# Altium PCB 工控主板.PcbDoc (part 2 of 2)
Units mm, origin at the board's own origin, x right, y up, seen from the top; angles counter-clockwise.
Board outline 160 x 120 mm, 4 copper layers (Top Layer, GND, POWER, Bottom Layer), stack 0.603 mm thick; 163 components, 157 nets, 614 pads, 536 vias.
Unrouted connection lines stored in the file: 1.
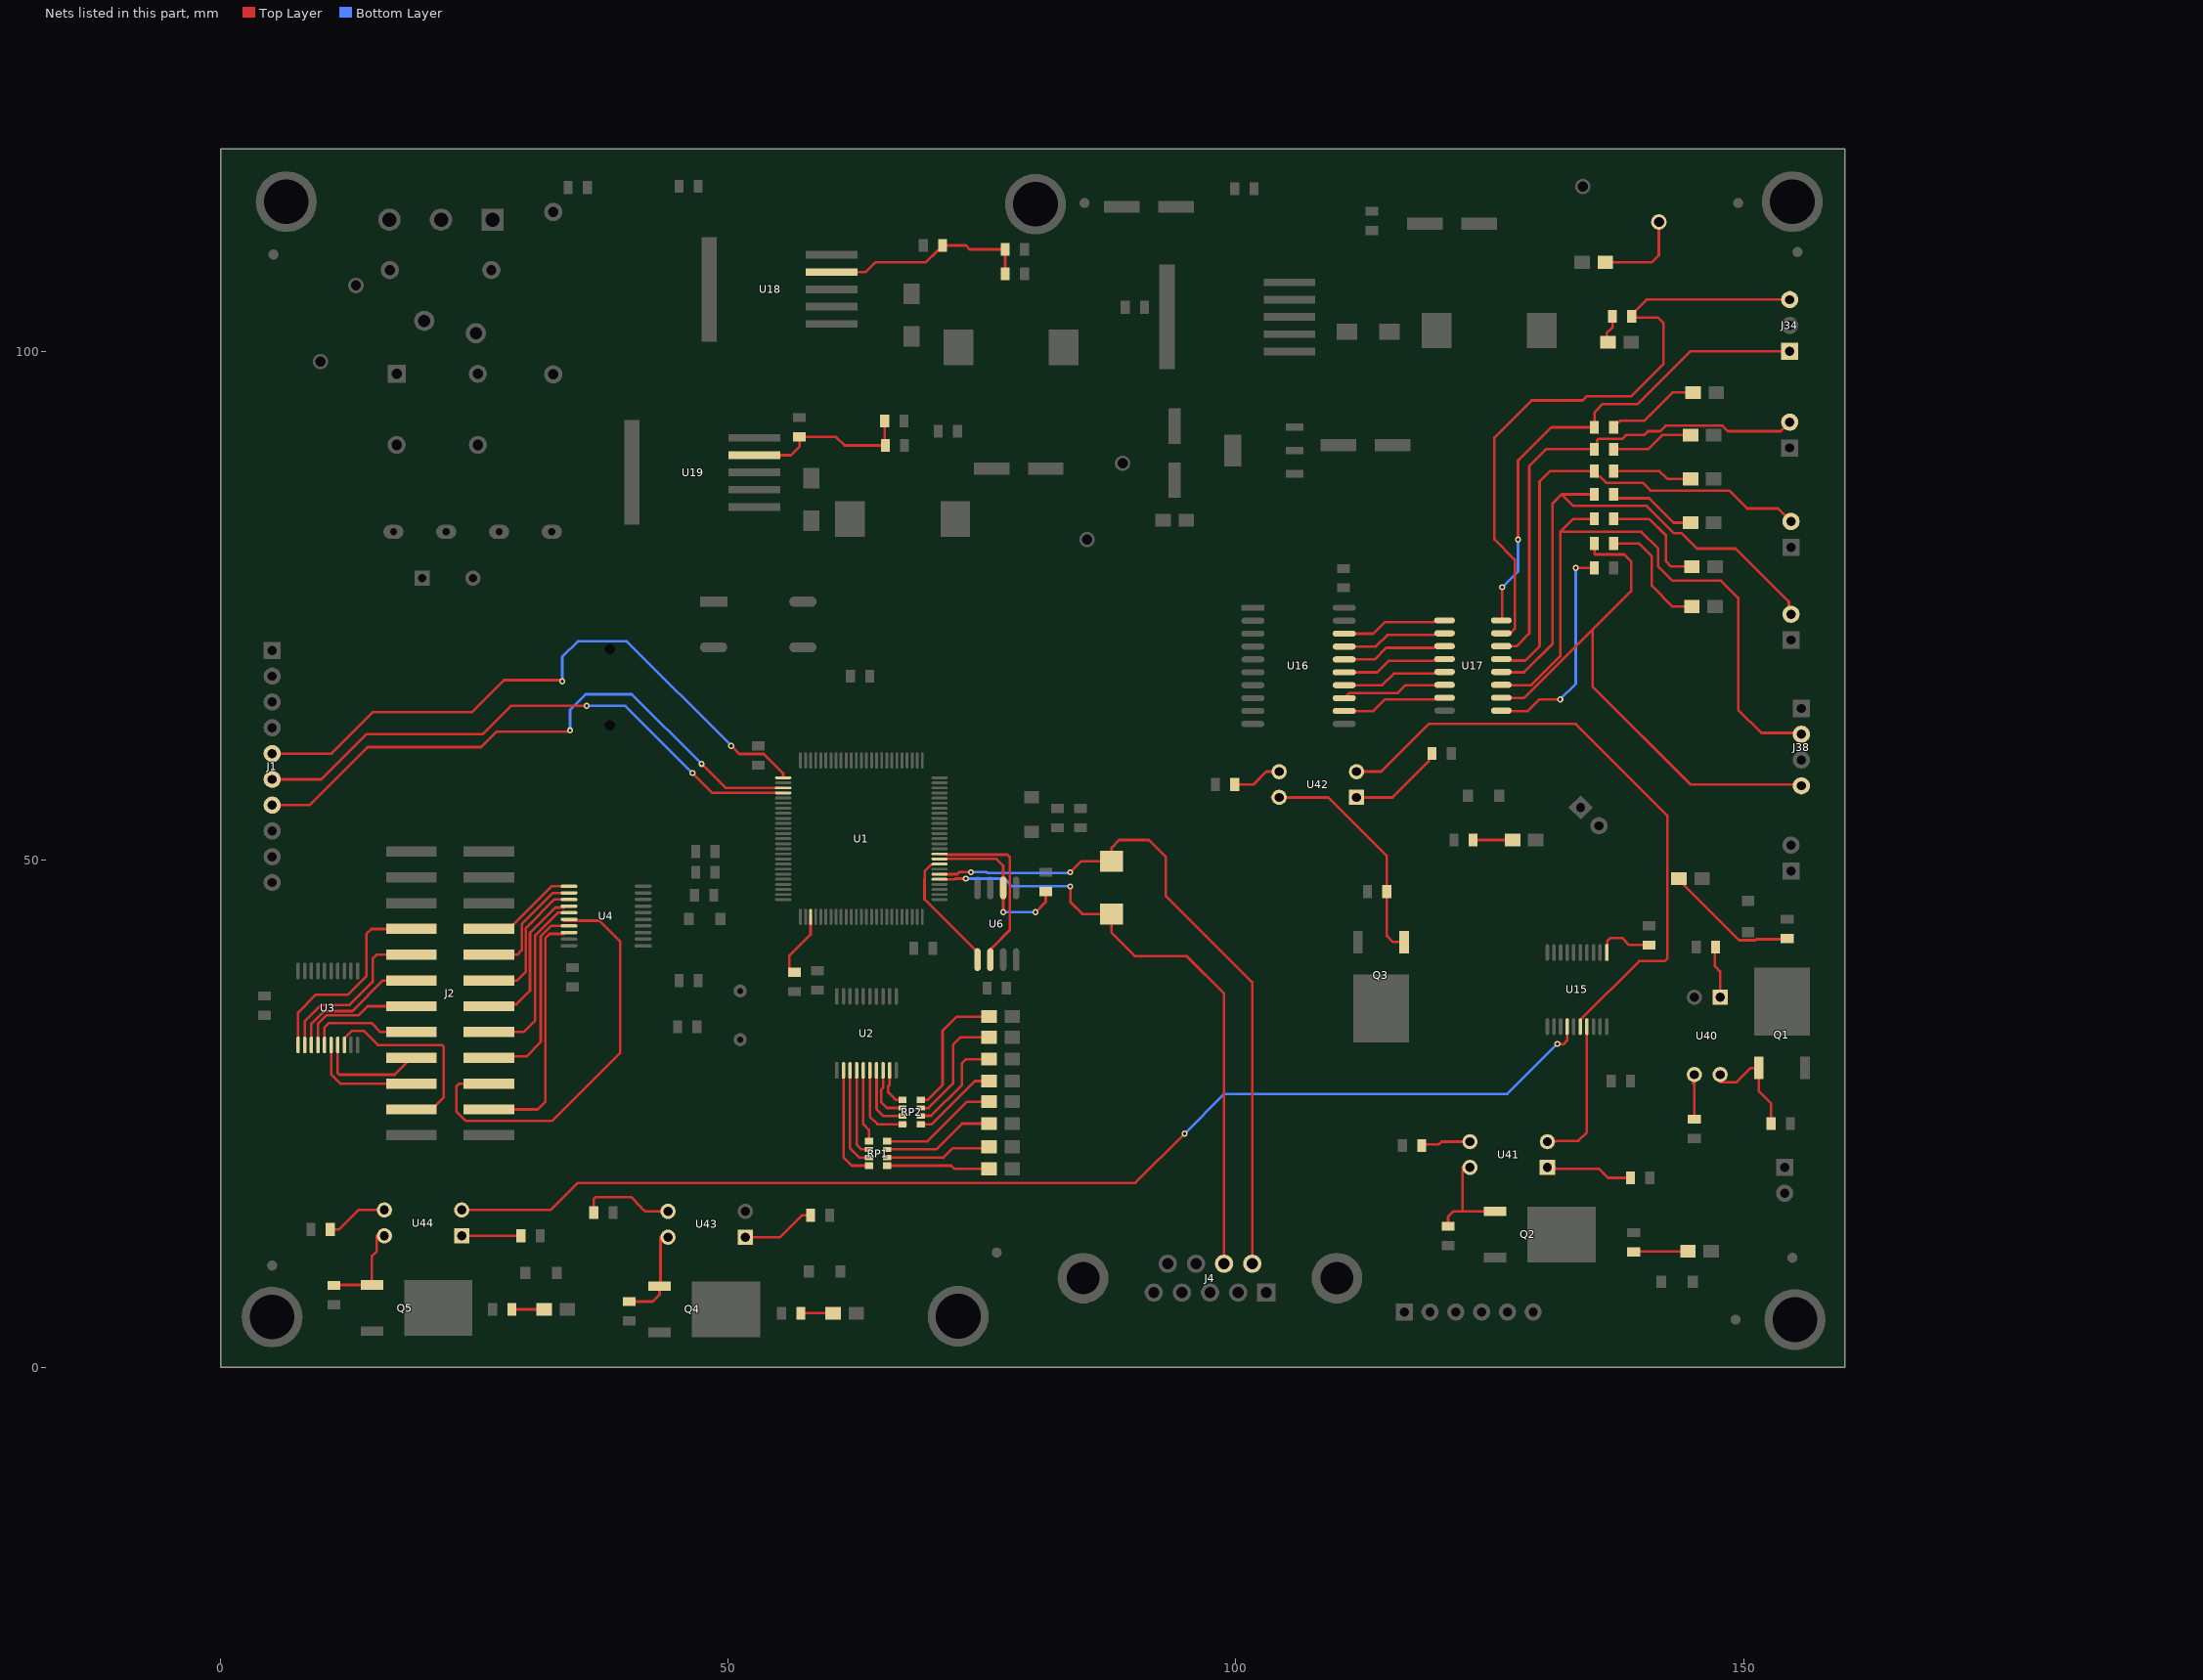
[diagram p4: the nets of this part, all layers, seen from the top]

## Via types
v1: diameter 0.6, hole 0.305, Top Layer to Bottom Layer, tented both sides, 536 vias

## Nets (pads, with @x,y where several pads share a name; then routed paths per layer and width w, separated by ;. In a path a pad name is that pad's centre, name@x,y a point inside that pad or via, vN(x,y) a via of type N, cw(c..) or ccw(c..) an arc to the next point about the centre after c; other vN are vias at no path point) (continued)
NetJ1_5: J1.5 U1.1 | length 62.2
  Top Layer w0.254: J1.5@5.08,60.452 10.922,60.452 14.986,64.516 24.765,64.516 27.94,67.691 33.434,67.691 33.561,67.564 v1(33.655,67.564) ; v1(50.292,61.214) 51.098,60.408 53.511,60.408 55.419,58.5 U1.1@55.419,58.07
  Bottom Layer w0.254: v1(33.655,67.564) 33.655,69.977 35.179,71.501 40.005,71.501 v1(50.292,61.214)
NetJ1_6: J1.6 U1.4 | length 56.9
  Top Layer w0.254: J1.6@5.08,57.912 9.906,57.912 14.351,62.357 25.781,62.357 28.575,65.151 v1(36.068,65.151) ; v1(46.482,58.547) 48.459,56.57 U1.4@55.419,56.57
  Bottom Layer w0.254: v1(36.068,65.151) 39.878,65.151 v1(46.482,58.547)
NetJ1_7: J1.7 U1.3 | length 59.9
  Top Layer w0.254: J1.7@5.08,55.372 8.763,55.372 14.478,61.087 25.654,61.087 27.178,62.611 34.196,62.611 34.323,62.738 v1(34.417,62.738) ; v1(47.371,59.436) 49.737,57.07 U1.3@55.419,57.07
  Bottom Layer w0.254: v1(34.417,62.738) 34.417,64.77 35.941,66.294 40.513,66.294 v1(47.371,59.436)
NetJ2_3: J2.3 U3.18 | length 20.1
  Top Layer w0.254: U3.18@12.192,31.75 12.192,32.4 12.939,33.147 14.097,33.147 15.494,31.75 21.822,31.75 21.971,31.601 21.971,26.575 20.796,25.4 J2.3@18.796,25.4
NetJ2_4: J2.4 U4.18 | length 24
  Top Layer w0.254: J2.4@26.416,25.4 31.242,25.4 32.009,26.167 32.009,42.296 32.411,42.698 U4.18@33.815,42.698
NetJ2_5: J2.5 U3.16 | length 11.2
  Top Layer w0.254: U3.16@10.892,31.75 10.892,28.859 11.811,27.94 J2.5@18.796,27.94
NetJ2_6: J2.6 U4.16 | length 42.4
  Top Layer w0.254: J2.6@26.416,27.94 23.495,27.94 23.241,27.686 23.241,25.18 24.164,24.257 32.639,24.257 39.37,30.988 39.37,41.944 37.316,43.998 U4.16@33.815,43.998
NetJ2_7: J2.7 U3.17 | length 10.8
  Top Layer w0.254: U3.17@11.542,31.75 11.542,28.978 11.691,28.829 17.145,28.829 J2.7@18.796,30.48
NetJ2_8: J2.8 U4.17 | length 19.4
  Top Layer w0.254: J2.8@26.416,30.48 26.565,30.629 30.121,30.629 31.537,32.045 31.537,42.459 32.553,43.475 U4.17@34.323,43.475
NetJ2_9: J2.9 U3.15 | length 10.8
  Top Layer w0.254: U3.15@10.242,31.75 10.242,33.483 10.668,33.909 14.859,33.909 15.748,33.02 J2.9@18.796,33.02
NetJ2_10: J2.10 U4.15 | length 18.1
  Top Layer w0.254: J2.10@26.416,33.02 29.845,33.02 30.988,34.163 30.988,42.545 33.218,44.775 U4.15@34.73,44.775
NetJ2_11: J2.11 U3.14 | length 12
  Top Layer w0.254: U3.14@9.592,31.75 9.592,33.849 10.414,34.671 13.589,34.671 14.478,35.56 J2.11@18.796,35.56
NetJ2_12: J2.12 U4.14 | length 14.8
  Top Layer w0.254: J2.12@26.416,35.56 26.608,35.752 29.148,35.752 30.48,37.084 30.48,42.799 32.979,45.298 U4.14@33.815,45.298
NetJ2_13: J2.13 U3.13 | length 13.7
  Top Layer w0.254: U3.13@8.942,31.75 8.942,33.834 10.185,35.077 12.979,35.077 16.002,38.1 J2.13@18.796,38.1
NetJ2_14: J2.14 U4.13 | length 13.7
  Top Layer w0.254: J2.14@26.416,38.1 29.21,38.1 30.074,38.964 30.074,43.291 32.858,46.075 U4.13@34.323,46.075
NetJ2_15: J2.15 U3.12 | length 16.9
  Top Layer w0.254: U3.12@8.292,31.75 8.292,34.073 9.906,35.687 12.7,35.687 14.986,37.973 14.986,40.259 15.367,40.64 J2.15@18.796,40.64
NetJ2_16: J2.16 U4.12 | length 11.9
  Top Layer w0.254: J2.16@26.416,40.64 29.21,40.64 29.667,41.097 29.667,43.637 32.755,46.725 U4.12@34.323,46.725
NetJ2_17: J2.17 U3.11 | length 20.2
  Top Layer w0.254: U3.11@7.642,31.75 7.642,34.947 9.398,36.703 12.54,36.703 14.351,38.514 14.351,42.672 14.859,43.18 J2.17@18.796,43.18
NetJ2_18: J2.18 U4.11 | length 9.6
  Top Layer w0.254: J2.18@26.416,43.18 28.416,43.18 32.611,47.375 U4.11@34.323,47.375
NetJ34_1: J34.1 R80.1 U17.16 | length 48.5
  Top Layer w0.254: U17.16@126.146,73.568 126.146,73.64 126.238,73.732 v1(126.238,76.835) ; v1(127.801,81.534) 127.801,89.32 131.064,92.583 R80.1@135.321,92.583 135.321,94.046 136.144,94.869 139.573,94.869 144.78,100.076 J34.1@154.559,100.076
  Bottom Layer w0.254: v1(126.238,76.835) 127.801,78.398 v1(127.801,81.534)
NetJ34_3: J34.3 R81.1 U17.15 | length 64.7
  Top Layer w0.254: U17.15@126.111,72.263 126.918,72.263 127.095,72.44 127.177,72.44 127.477,72.74 127.477,79.533 125.476,81.534 125.476,91.567 129.134,95.225 134.132,95.225 134.538,95.631 138.938,95.631 142.113,98.806 142.113,102.87 141.605,103.378 139.126,103.378 R81.1@138.999,103.505 138.999,103.695 140.459,105.156 J34.3@154.559,105.156
NetJ35_2: J35.2 R82.1 U17.14 | length 48
  Top Layer w0.254: U17.14@126.146,71.028 127.648,71.028 128.905,72.285 128.905,88.773 130.556,90.424 R82.1@135.321,90.424 135.564,90.667 135.564,91.291 135.713,91.44 138.049,91.44 138.43,91.821 140.208,91.821 140.589,92.202 141.792,92.202 142.326,92.735 147.944,92.735 148.477,92.202 153.67,92.202 J35.2@154.559,93.091
NetJ36_2: J36.2 R83.1 U17.13 | length 48
  Top Layer w0.254: U17.13@126.124,69.609 126.17,69.655 127.102,69.655 127.149,69.609 128.515,69.609 129.921,71.015 129.921,87.249 130.937,88.265 R83.1@135.321,88.265 135.321,88.075 135.638,87.757 135.829,87.757 136.464,87.122 140.081,87.122 140.843,86.36 148.59,86.36 150.368,84.582 153.416,84.582 J36.2@154.686,83.312
NetJ37_2: J37.2 R84.1 U17.12 | length 53.3
  Top Layer w0.254: U17.12@125.52,68.453 128.397,68.453 131.191,71.247 131.191,85.09 132.08,85.979 ; R84.1@135.321,85.979 132.08,85.979 ; J37.2@154.686,74.168 154.477,74.377 154.477,75.399 149.231,80.645 145.415,80.645 143.891,82.169 143.129,82.169 140.462,84.836 133.223,84.836 132.08,85.979
NetJ38_2: J38.2 R85.1 U17.11 | length 63.2
  Top Layer w0.254: U17.11@125.514,67.183 129.092,67.183 131.953,70.044 131.953,82.296 ; R85.1@135.321,83.566 133.223,83.566 131.953,82.296 ; J38.2@155.702,62.484 151.765,62.484 149.479,64.77 149.479,75.774 147.783,77.47 143.002,77.47 141.605,78.867 141.605,80.645 139.954,82.296 131.953,82.296
NetJ38_4: J38.4 R86.1 U17.10 | length 55.8
  Top Layer w0.254: U17.10@125.513,65.913 128.397,65.913 135.128,72.644 ; R86.1@135.321,81.153 135.321,80.119 135.382,80.059 138.254,80.059 138.938,79.375 138.938,76.454 135.128,72.644 ; J38.4@155.702,57.404 144.78,57.404 135.128,67.056 135.128,72.644
NetLD4_2: LD4.2 R13.2 | length 8.7
  Top Layer w0.254: LD4.2@136.525,108.839 140.975,108.839 141.671,109.535 R13.2@141.671,112.804
NetLD10_2: LD10.2 RP1.1 | length 10
  Top Layer w0.254: RP1.1@65.659,19.863 71.958,19.863 72.263,19.558 LD10.2@75.565,19.558
NetLD11_2: LD11.2 RP1.2 | length 10.3
  Top Layer w0.254: RP1.2@65.659,20.663 71.209,20.663 72.136,21.59 75.438,21.59 LD11.2@75.565,21.717
NetLD12_2: LD12.2 RP1.3 | length 11
  Top Layer w0.254: RP1.3@65.659,21.463 70.485,21.463 73.025,24.003 LD12.2@75.565,24.003
NetLD13_2: LD13.2 RP1.4 | length 11.5
  Top Layer w0.254: RP1.4@65.659,22.263 69.634,22.263 73.533,26.162 LD13.2@75.565,26.162
NetLD14_2: LD14.2 RP2.1 | length 8.4
  Top Layer w0.254: RP2.1@68.972,23.946 70.047,23.946 74.295,28.194 LD14.2@75.565,28.194
NetLD15_2: LD15.2 RP2.2 | length 10.2
  Top Layer w0.254: RP2.2@68.972,24.746 68.999,24.773 69.985,24.773 73.025,27.813 73.025,29.972 73.406,30.353 LD15.2@75.565,30.353
NetLD16_2: LD16.2 RP2.3 | length 11.6
  Top Layer w0.254: RP2.3@69.103,25.527 69.723,25.527 72.136,27.94 72.136,31.75 72.898,32.512 LD16.2@75.565,32.512
NetLD17_2: LD17.2 RP2.4 | length 13.1
  Top Layer w0.254: RP2.4@68.972,26.346 69.653,26.346 71.12,27.813 71.12,33.147 72.517,34.544 LD17.2@75.565,34.544
NetLD40_2: LD40.2 R73.2 | length 13.6
  Top Layer w0.254: LD40.2@143.51,48.133 149.577,42.066 151.167,42.066 151.265,42.164 154.239,42.164 R73.2@154.432,42.357
NetLD41_2: LD41.2 R74.2 | length 5.2
  Top Layer w0.254: R74.2@139.192,11.369 139.253,11.43 LD41.2@144.399,11.43
NetLD42_2: LD42.2 R75.2 | length 3.7
  Top Layer w0.254: R75.2@123.378,51.943 LD42.2@127.127,51.943
NetLD43_2: LD43.2 R76.2 | length 3
  Top Layer w0.254: R76.2@57.15,5.334 LD43.2@60.198,5.334
NetLD44_2: LD44.2 R77.2 | length 3
  Top Layer w0.254: R77.2@28.702,5.715 LD44.2@31.75,5.715
NetLD50_2: LD50.2 R80.2 | length 9.4
  Top Layer w0.254: R80.2@137.221,92.583 137.221,92.773 137.538,93.091 137.729,93.091 137.856,93.218 140.208,93.218 143.002,96.012 LD50.2@144.907,96.012 ; LD50.2@144.57,95.747 LD50.2@144.686,95.631
NetLD51_2: LD51.2 R81.2 | length 2.8
  Top Layer w0.254: LD51.2@136.525,100.965 136.525,101.854 137.099,102.428 R81.2@137.099,103.505
NetLD52_2: LD52.2 R82.2 | length 8
  Top Layer w0.254: R82.2@137.221,90.424 140.589,90.424 141.986,91.821 LD52.2@144.653,91.821
NetLD53_2: LD53.2 R83.2 | length 7.7
  Top Layer w0.254: R83.2@137.221,88.265 141.732,88.265 142.494,87.503 LD53.2@144.653,87.503
NetLD54_2: LD54.2 R84.2 | length 8.6
  Top Layer w0.254: R84.2@137.221,85.979 137.221,85.915 137.538,85.598 140.716,85.598 143.129,83.185 LD54.2@144.653,83.185
NetLD55_2: LD55.2 R85.2 | length 11.4
  Top Layer w0.254: R85.2@137.221,83.376 R85.2@137.538,83.058 ; R85.2@137.221,83.566 140.716,83.566 142.367,81.915 142.367,79.375 142.875,78.867 LD55.2@144.78,78.867
NetLD56_2: LD56.2 R86.2 | length 11.8
  Top Layer w0.254: R86.2@137.221,81.153 139.7,81.153 140.97,79.883 140.97,76.962 143.002,74.93 LD56.2@144.78,74.93
NetQ1_1: Q1.1 R61.2 U40.4 | length 10.4
  Top Layer w0.254: U40.4@147.701,28.089 149.33,28.089 150.732,29.491 Q1.1@151.517,29.491 151.517,27.172 152.72,25.969 R61.2@152.72,24.003
NetQ2_1: Q2.1 R63.2 U41.4 | length 10.1
  Top Layer w0.254: R63.2@120.904,13.904 120.904,14.859 121.406,15.361 122.301,15.361 ; U41.4@122.323,19.685 122.323,15.383 122.301,15.361 ; Q2.1@125.53,15.361 122.301,15.361
NetQ3_1: Q3.1 R65.2 U42.4 | length 23
  Top Layer w0.254: U42.4@103.527,56.134 U42.4@103.632,56.029 ; U42.4@104.267,56.134 109.093,56.134 114.869,50.358 R65.2@114.869,46.863 114.869,42.484 115.47,41.883 Q3.1@116.58,41.883
NetQ4_1: Q4.1 R67.2 U43.4 | length 9
  Top Layer w0.254: R67.2@40.259,6.477 42.545,6.477 43.234,7.166 Q4.1@43.234,7.995 43.329,8.09 U43.4@43.329,12.827
NetQ5_1: Q5.1 R69.2 U44.4 | length 8.8
  Top Layer w0.254: R69.2@11.176,8.062 11.236,8.122 Q5.1@14.913,8.122 14.913,10.976 15.389,11.452 U44.4@15.389,12.954
NetR3_1: R3.1 U1.28 | length 6.6
  Top Layer w0.254: R3.1@56.515,38.923 56.325,38.923 56.007,39.24 56.007,40.513 58.119,42.625 U1.28@58.119,44.37
NetR5_2: R5.2 R7.1 R8.1 U18.4 | length 20.9
  Top Layer w0.254: U18.4@60.198,107.872 63.549,107.872 64.516,108.839 69.469,108.839 70.612,109.982 70.802,109.982 70.993,110.172 70.993,110.363 R8.1@71.12,110.49 73.406,110.49 73.787,110.109 R7.1@77.282,110.109 R5.2@77.282,107.696
NetR6_2: R6.2 R9.1 R17.1 U19.4 | length 17
  Top Layer w0.254: U19.4@52.578,89.838 56.183,89.838 57.023,90.678 R9.1@57.023,91.633 60.64,91.633 61.468,90.805 R17.1@65.471,90.805 65.405,90.871 R6.2@65.405,93.218
NetR50_1: R50.1 U15.1 | length 5.7
  Top Layer w0.254: U15.1@136.529,40.861 136.577,40.909 136.577,41.962 136.906,42.291 138.049,42.291 138.745,41.595 R50.1@140.716,41.595
NetR52_1: R52.1 U40.1 | length 4.5
  Top Layer w0.254: R52.1@147.193,41.468 147.193,39.497 147.701,38.989 U40.1@147.701,37.189
NetR53_1: R53.1 U41.1 | length 7.9
  Top Layer w0.254: U41.1@131.423,19.685 131.55,19.558 135.763,19.558 136.652,18.669 R53.1@138.877,18.669
NetR54_1: R54.1 U42.1 | length 9.8
  Top Layer w0.254: U42.1@111.887,56.134 115.443,56.134 119.002,59.693 119.002,60.134 R54.1@119.319,60.452 R54.1@119.065,60.706
NetR55_1: R55.1 U43.1 | length 6.6
  Top Layer w0.254: U43.1@52.429,12.827 55.118,12.827 57.277,14.986 R55.1@58.105,14.986
NetR56_1: R56.1 U44.1 | length 5.1
  Top Layer w0.254: U44.1@24.489,12.954 R56.1@29.591,12.954
NetR60_2: R60.2 U40.3 | length 3.8
  Top Layer w0.254: 145.034,27.962 145.161,28.089 R60.2@145.161,24.445
NetR62_2: R62.2 U41.3 | length 4.2
  Top Layer w0.254: R62.2@118.298,21.844 118.425,21.971 120.015,21.971 120.269,22.225 U41.3@122.323,22.225
NetR64_2: R64.2 U42.3 | length 4.9
  Top Layer w0.254: R64.2@99.883,57.404 101.727,57.404 102.997,58.674 U42.3@104.267,58.674
NetR66_2: R66.2 U43.3 | length 8.6
  Top Layer w0.254: R66.2@36.769,15.24 36.769,16.576 36.957,16.764 40.431,16.764 41.427,15.768 41.427,15.738 41.799,15.367 U43.3@43.329,15.367
NetR68_2: R68.2 U44.3 | length 5.4
  Top Layer w0.254: R68.2@10.795,13.589 11.684,13.589 13.589,15.494 U44.3@15.389,15.494
NetR93_2: R93.2 U17.9 | length 21.7
  Top Layer w0.254: U17.9@126.111,64.643 128.778,64.643 129.921,65.786 v1(131.953,65.786) ; v1(133.477,78.74) R93.2@135.321,78.74
  Bottom Layer w0.254: v1(131.953,65.786) 133.477,67.31 v1(133.477,78.74)
NetRP1_5: RP1.5 U2.5 | length 7.2
  Top Layer w0.254: U2.5@63.302,29.243 63.302,23.947 63.859,23.39 RP1.5@63.859,22.263
NetRP1_6: RP1.6 U2.4 | length 8.7
  Top Layer w0.254: U2.4@62.652,29.243 62.652,21.93 63.119,21.463 RP1.6@63.859,21.463
NetRP1_7: RP1.7 U2.3 | length 9.9
  Top Layer w0.254: U2.3@62.002,29.243 62.002,21.564 62.903,20.663 RP1.7@63.859,20.663
NetRP1_8: RP1.8 U2.2 | length 11.4
  Top Layer w0.254: U2.2@61.352,29.243 61.352,20.69 62.179,19.863 RP1.8@63.859,19.863
NetRP2_5: RP2.5 U2.9 | length 4.7
  Top Layer w0.254: U2.9@65.92,28.441 65.92,29.225 U2.9@65.902,29.243 65.902,27.802 65.764,27.664 65.764,27.073 66.491,26.346 RP2.5@67.172,26.346
NetRP2_6: RP2.6 U2.8 | length 6.3
  Top Layer w0.254: U2.8@65.27,28.456 65.27,29.225 U2.8@65.252,29.243 65.252,27.536 65.085,27.369 65.085,26.101 65.64,25.546 RP2.6@67.172,25.546
NetRP2_7: RP2.7 U2.7 | length 6.7
  Top Layer w0.254: U2.7@64.602,29.243 64.62,29.225 64.62,25.423 65.297,24.746 RP2.7@67.172,24.746
NetRP2_8: RP2.8 U2.6 | length 8.4
  Top Layer w0.254: U2.6@63.952,29.243 63.952,24.694 64.7,23.946 RP2.8@67.504,23.946
NetU15_14: U15.14 U44.2 | length 116.4
  Top Layer w0.254: U44.2@24.489,15.494 32.512,15.494 35.179,18.161 90.108,18.161 v1(94.965,23.018) ; v1(131.667,31.845) 132.302,31.845 132.629,32.172 U15.14@132.629,33.561
  Bottom Layer w0.254: v1(94.965,23.018) 98.871,26.924 126.746,26.924 v1(131.667,31.845)
NetU15_16: U15.16 U42.2 | length 62.1
  Top Layer w0.254: U42.2@111.887,58.674 114.3,58.674 118.999,63.373 133.477,63.373 142.494,54.356 142.494,40.259 142.24,40.005 139.723,40.005 133.929,34.211 U15.16@133.929,33.561
NetU16_12: U16.12 U17.7 | length 10.9
  Top Layer w0.254: U16.12@110.677,64.643 113.538,64.643 114.681,65.786 U17.7@121.098,65.786
NetU16_13: U16.13 U17.6 | length 10.3
  Top Layer w0.254: U16.13@110.677,65.913 111.185,66.421 115.951,66.421 116.713,67.183 U17.6@120.429,67.183
NetU16_14: U16.14 U17.5 | length 10.3
  Top Layer w0.254: U16.14@110.677,67.183 114.427,67.183 115.57,68.326 119.485,68.326 119.544,68.385 120.379,68.385 U17.5@120.438,68.326
NetU16_15: U16.15 U17.4 | length 10.3
  Top Layer w0.254: U16.15@110.677,68.453 113.919,68.453 115.062,69.596 119.485,69.596 119.544,69.655 120.379,69.655 U17.4@120.438,69.596
NetU16_16: U16.16 U17.3 | length 10.3
  Top Layer w0.254: U16.16@110.677,69.723 113.665,69.723 114.808,70.866 119.485,70.866 119.544,70.925 120.379,70.925 U17.3@120.438,70.866
NetU16_17: U16.17 U17.2 | length 10.3
  Top Layer w0.254: U16.17@110.677,70.993 113.792,70.993 114.935,72.136 119.485,72.136 119.544,72.195 120.379,72.195 U17.2@120.438,72.136
NetU16_18: U16.18 U17.1 | length 10.3
  Top Layer w0.254: U16.18@110.677,72.263 113.538,72.263 114.681,73.406 119.485,73.406 119.544,73.465 120.379,73.465 U17.1@120.438,73.406
RETURN_LAMP: U15.17 U41.2 | length 13.9
  Top Layer w0.254: U41.2@131.423,22.225 131.505,22.307 133.731,22.307 134.579,23.155 U15.17@134.579,33.561
RXD: J4.7 TVS2.2 U1.55 | length 61.3
  Top Layer w0.254: U1.55@70.819,48.07 72.335,48.07 72.398,48.133 v1(73.406,48.133) ; v1(83.693,47.371) 83.693,45.847 84.887,44.653 TVS2.2@87.757,44.653 87.757,42.799 90.043,40.513 95.123,40.513 98.842,36.794 J4.7@98.842,10.206
  Bottom Layer w0.254: v1(73.406,48.133) 77.216,48.133 77.978,47.371 v1(83.693,47.371)
SPI_CLK: U1.60 U6.6 | length 17.9
  Top Layer w0.254: U1.60@70.819,50.57 71.486,50.57 71.567,50.489 77.505,50.489 77.724,50.27 77.724,43.053 75.967,41.296 75.967,41.218 75.819,41.07 U6.6@75.819,40.158
SPI_MISO: R4.1 U1.59 U6.2 | length 16.8
  Top Layer w0.254: U1.59@70.819,50.07 76.422,50.07 77.089,49.403 U6.2@77.089,47.218 77.083,47.212 77.083,44.849 v1(77.077,44.843) ; v1(80.264,44.831) 81.28,45.847 R4.1@81.28,46.868
  Bottom Layer w0.254: v1@77.065,44.855 v1(77.077,44.843) 77.089,44.831 v1(80.264,44.831)
SPI_MOSI: U1.58 U6.5 | length 12.6
  Top Layer w0.254: U1.58@70.819,49.57 70.152,49.57 70.072,49.489 69.985,49.489 69.348,48.852 69.348,48.099 69.342,48.093 69.342,46.101 74.549,40.894 U6.5@74.549,40.158
TXD: J4.6 TVS2.1 U1.56 | length 68.8
  Top Layer w0.254: U1.56@70.819,48.57 72.553,48.57 72.752,48.768 v1(73.923,48.768) ; v1(83.693,48.768) 84.76,49.835 TVS2.1@87.757,49.835 87.757,51.181 88.519,51.943 91.44,51.943 93.091,50.292 93.091,46.463 97.082,42.472 101.612,37.942 J4.6@101.612,10.206
  Bottom Layer w0.254: v1(73.923,48.768) 75.464,48.768 75.545,48.687 83.518,48.687 83.599,48.768 v1(83.693,48.768)
pads on no net: C63.2 C64.1 ID1.1 ID2.1 ID3.1 ID4.1 ID5.1 ID6.1 ID7.1 ID8.1 J1.8 J1.10 J4.1 J4.2 J4.3 J4.4 J4.5 J4.8 U1.6 U1.7 U1.8 U1.9 U1.12 U1.15 U1.16 U1.17 U1.18 U1.19 U1.20 U1.21 U1.22 U1.23 U1.24 U1.25 U1.39 U1.40 U1.41 U1.42 U1.43 U1.44 U1.45 U1.46 U1.47 U1.48 U1.49 U1.50 U1.51 U1.52 U1.53 U1.54 U1.57 U1.61 U1.62 U1.99 U1.100 U15.7 U15.8 U15.9 U15.11 U15.12 U15.13 U16.11
copper on no net: | length 1134.8
  Top Layer w0.254: 2.032,2.032 158.032,2.032 158.032,118.032 2.032,118.032 2.032,2.032
  Top Layer w1.016: v1(47.498,39.878) 47.284,40.092 46.442,40.092 v1(46.355,40.005) 45.847,40.005 v1(45.593,39.751) 45.466,39.878 v1(44.831,39.878) 44.514,39.56 44.005,39.56 43.561,39.116 43.397,38.952 v1(43.397,38.01) 43.246,37.859 43.246,37.018 v1(43.307,36.957) 43.307,35.179 v1(43.434,35.052) 43.22,34.838 43.22,33.996 v1(43.307,33.909) 43.331,33.885 43.331,32.79 v1(43.18,32.639) 43.688,32.131 v1(43.688,31.496) 43.688,31.242 v1(44.323,30.607) 44.958,29.972 v1(45.339,29.972) 46.034,29.277 v1(46.034,29.114) 46.07,29.114 v1(46.736,28.448) 47.752,28.448 48.768,28.448 49.276,28.448 50.419,28.448 51.181,28.448 52.324,28.448 v1(53.594,28.448) 53.975,28.448 54.864,29.337 v1(54.864,29.591) 54.864,30.607 v1(54.864,31.877) 54.864,33.02 v1(54.864,34.036) v1(54.864,35.052) v1(54.864,36.195) v1(54.864,40.64) v1(56.261,42.037) ; 47.498,40.386 48.006,40.894 v1(48.387,40.894) v1(49.657,40.894) 49.871,41.108 50.713,41.108 v1(50.927,40.894) 50.927,41.188 51.522,41.783 v1(51.562,41.783) 52.197,42.418 v1(53.467,43.688)
  Bottom Layer w0.254: 2.032,2.032 158.032,2.032 158.032,118.032 2.032,118.032 2.032,2.032
  other v1: 47.752,28.321 48.768,28.321 49.276,28.321 50.419,28.321 51.181,28.321 52.324,28.321 54.419,28.892 54.737,30.607 54.737,33.02 54.991,37.719 43.434,39.243 54.864,39.243 43.942,39.624 52.07,42.672

## Polygon pours and split planes (outlines as drawn)
GND on Top Layer "R" (solid, pour order 86): -8.763,88.519 41.021,88.519 46.355,93.853 46.355,128.778 171.704,128.778 191.008,109.474 191.008,-9.652 189.738,-9.652 174.498,-24.892 -11.303,-24.892 -13.716,-22.479 -13.335,-22.098 -13.335,79.502
+3.3V on Top Layer "+3.3V_L01_P006" (solid, pour order 6): 23.241,47.244 22.987,53.721 23.495,54.229 32.893,54.229 35.052,52.07 34.925,51.943 34.925,48.895 31.623,48.895 29.718,46.99
+3.3V on Top Layer "NONET_L-01_P-001" (solid, pour order 57): 89.535,55.499 89.535,56.388 85.09,60.833 82.804,60.833 77.978,56.007 77.978,55.372 79.121,54.229 79.248,54.356 85.979,54.356 87.122,55.499 85.979,54.356 87.122,55.499
no net on Top Layer "NONET_L-01_P-001" (solid, pour order 89): 35.56,117.221 35.687,117.221 35.941,117.475 45.72,117.475 45.974,117.221 45.974,115.316 45.593,114.935 36.322,114.935 35.56,115.697
EGND on Top Layer "NONET_L-01_P-001" (solid, pour order 88): 22.733,115.443 25.146,117.856 34.544,117.856 35.306,117.094 35.306,115.443 35.052,115.189 24.765,115.189 23.749,114.173
GND on Top Layer "NONET_L-01_P-001" (solid, pour order 85): 5.207,69.469 6.858,69.469 9.525,72.136 14.224,72.136 14.859,71.501 14.859,66.929 12.446,64.516 6.35,64.516
NetBR1_2 on Top Layer "NONET_L-01_P-001" (solid, pour order 84): 23.876,93.218 27.94,93.218 28.829,92.329 28.829,82.042 27.813,81.026 27.686,81.153 26.035,81.153 24.765,82.423 24.765,88.773 22.86,90.678 22.86,92.202
NetBR1_3 on Top Layer "NONET_L-01_P-001" (solid, pour order 83): 15.24,92.202 19.939,92.202 21.463,90.678 21.463,86.868 24.257,84.074 24.257,81.915 22.987,80.645 21.336,80.645 20.574,81.407 20.574,85.725 16.637,89.662 14.732,89.662 14.097,90.297 14.097,91.567
NetC56_1 on Top Layer "NONET_L-01_P-001" (solid, pour order 82): 23.876,107.315 23.876,107.95 25.654,109.728 33.02,109.728 35.433,107.315 35.433,96.393 34.29,95.25 24.13,95.25 22.987,96.393 22.987,105.029
NetC56_2 on Top Layer "NONET_L-01_P-001" (solid, pour order 81): 19 vertices, not listed, extent 8.255,94.996 22.098,109.982
L on Top Layer "NONET_L-01_P-001" (solid, pour order 80): 24.638,111.379 24.638,113.411 26.289,115.062 33.528,115.062 34.925,113.665 34.925,111.887 33.782,110.744 25.527,110.744
EGND on Top Layer "NONET_L-01_P-001" (solid, pour order 79): 18 vertices, not listed, extent 3.683,111.252 24.257,117.602
N on Top Layer "NONET_L-01_P-001" (solid, pour order 78): 14.732,115.824 17.78,115.824 18.796,114.808 18.796,111.76 17.653,110.617 15.24,110.617 14.859,110.236 14.859,106.172 13.843,105.156 12.192,105.156 11.303,106.045 11.303,113.792 12.319,114.808 13.716,114.808
GND on Top Layer "GND_L01_P048" (solid, pour order 48): 38 vertices, not listed, extent 57.658,28.067 70.866,40.64
GND on Top Layer "GND_L01_P016" (solid, pour order 16): 137.668,27.305 135.636,27.305 134.874,28.067 134.874,32.004 135.636,32.766 135.636,34.671 136.144,34.671 136.144,32.512 140.641,32.512 140.462,29.972 137.668,29.658
GND on Top Layer "GND_L01_P007" (solid, pour order 7): 21.717,53.721 22.352,44.958 21.717,44.323 15.494,44.323 14.224,45.593 14.224,47.371 16.002,49.149 16.002,53.721 16.256,53.975
+5V on Top Layer "+5V_L01_P035" (solid, pour order 35): 108.839,108.839 108.839,110.288 112.488,112.776 115.138,112.776 116.205,110.998 121.158,110.998 121.92,113.665 126.619,113.665 135.001,109.855 135.001,107.442 134.747,107.188 132.715,104.648 108.331,104.648
GND on Top Layer "NONET_L-01_P-001" (solid, pour order 64): 39.878,5.08 43.053,5.207 44.323,3.937 44.196,2.794 32.385,2.413 31.75,3.048 31.75,4.191 31.877,4.318 39.116,4.318 39.497,4.699 39.624,4.826
GND on Top Layer "NONET_L-01_P-001" (solid, pour order 77): 52.451,77.089 51.816,76.454 46.482,76.454 45.847,75.819 45.847,74.676 46.99,73.533 53.721,73.533
+VBUS on Top Layer "+VBUS_L01_P003" (solid, pour order 3): 23.495,79.756 24.13,80.391 29.083,80.391 29.083,81.534 31.369,83.82 36.449,83.82 38.862,81.407 38.862,74.676 30.353,74.676 29.083,75.946 23.876,75.946 23.495,76.454 23.495,76.581 23.495,79.629
GND on Top Layer "GND_L01_P001" (solid, pour order 1): 67.437,71.628 51.943,71.628 52.07,76.454 51.943,76.581 52.451,77.089 64.135,77.089 67.31,76.581
GND on Top Layer "GND_L01_P019" (solid, pour order 19): 19 vertices, not listed, extent 2.54,48.006 9.906,69.469
GND on Top Layer "GND_L01_P044" (solid, pour order 44): 17 vertices, not listed, extent 69.812,50.292 87.122,53.086
+24V on Top Layer "R" (solid, pour order 56): 78.486,111.506 80.645,111.506 80.645,111.379 81.153,110.871 83.693,110.744 84.455,109.982 84.455,106.426 84.074,106.045 80.645,106.172 80.01,108.839 78.359,109.474 78.359,111.379
+VBUS on Top Layer "NONET_L-01_P-001" (solid, pour order 75): 35.687,74.93 36.703,73.914 36.703,69.977 37.338,69.342 39.878,69.342 41.021,70.485 41.021,72.898 38.481,75.438
GND on Top Layer "NONET_L-01_P-001" (solid, pour order 74): 107.442,116.078 106.426,117.094 101.346,117.094 101.219,116.967 101.219,112.522 102.87,110.871
+24V on Top Layer "+24V_L01_P025" (solid, pour order 25): 27 vertices, not listed, extent 69.342,76.962 83.439,97.663
GND on Top Layer "NONET_L-01_P-001" (solid, pour order 73): 113.665,41.275 113.665,49.911 109.982,53.34 109.728,53.594 103.378,53.34 102.997,52.578 102.997,51.562 103.378,50.419 103.378,47.371 104.394,46.355 109.728,46.355 109.728,41.529 110.871,40.386
GND on Top Layer "GND_L01_P010" (solid, pour order 10): 7.62,8.001 9.271,8.001 9.652,6.858 12.7,6.858 14.986,4.572 16.256,4.318 16.764,2.54 16.129,1.905 2.667,2.032 2.413,3.048 2.032,3.683 2.413,7.62
GND on Top Layer "GND_L01_P042" (solid, pour order 42): 29 vertices, not listed, extent 151.765,1.905 158.369,31.369
+12V on Top Layer "+12V_L01_P033" (solid, pour order 33): 25 vertices, not listed, extent 87.503,96.393 108.458,108.458
+5V on Top Layer "NONET_L-01_P-001" (solid, pour order 72): 146.177,90.424 146.304,90.297 146.685,86.995 148.844,86.741 151.13,84.709 151.384,84.709 155.575,85.09 155.956,86.614 152.273,90.297 146.177,90.297
+5V on Top Layer "NONET_L-01_P-001" (solid, pour order 70): 22 vertices, not listed, extent 146.875,89.916 157.988,103.886
+5V on Top Layer "NONET_L-01_P-001" (solid, pour order 69): 157.48,80.391 157.48,91.694 157.099,92.075 156.845,91.821 149.352,91.821 148.59,92.583 146.304,92.583 146.304,92.456 145.796,91.948 145.796,90.678 149.86,89.916 156.083,83.693 156.083,80.899
+5V on Top Layer "NONET_L-01_P-001" (solid, pour order 68): 18 vertices, not listed, extent 146.177,70.231 157.607,85.344
+5V on Top Layer "NONET_L-01_P-001" (solid, pour order 67): 19 vertices, not listed, extent 146.304,60.706 157.988,79.756
+5V on Top Layer "+5V_L01_P041" (solid, pour order 41): 20 vertices, not listed, extent 136.779,58.293 157.988,76.708
GND on Top Layer "GND_L01_P013" (solid, pour order 13): 23 vertices, not listed, extent 106.299,2.413 127.889,19.558
GND on Top Layer "GND_L01_P012" (solid, pour order 12): 19 vertices, not listed, extent 65.516,1.905 94.742,11.938
GND on Top Layer "NONET_L-01_P-001" (solid, pour order 54): 19 vertices, not listed, extent 85.217,88.011 96.52,101.092
+5V on Top Layer "NONET_L-01_P-001" (solid, pour order 65): 22 vertices, not listed, extent 59.944,3.937 73.152,16.637
+5V on Top Layer "NONET_L-01_P-001" (solid, pour order 63): 33.274,4.572 38.735,4.572 39.116,4.953 39.116,8.382 39.624,8.89 39.624,10.922 39.243,11.303 33.274,11.303 32.131,10.16 32.258,8.128 32.512,7.747 33.147,7.112 33.147,4.699
+5V on Top Layer "r" (solid, pour order 61): 118.11,97.917 117.856,97.663 113.411,97.663 113.157,97.155 113.157,96.647 113.157,89.027 113.538,88.646 114.046,88.646 123.952,88.646 124.079,88.773 124.841,89.535 124.841,96.647 123.571,97.917
+5V on Top Layer "NONET_L-01_P-001" (solid, pour order 59): 108.839,105.918 102.616,105.918 102.362,105.664 102.362,104.648 102.743,104.267 108.204,104.267 109.093,105.156
GND on Top Layer "NONET_L-01_P-001" (solid, pour order 58): 101.6,106.172 108.077,106.172 108.077,110.744 110.49,113.157 115.697,113.157 117.221,111.633 120.396,111.633 120.396,111.76 121.539,112.903 121.031,113.411 119.634,115.824 107.442,116.078 101.727,110.363 101.727,108.077
GND on Top Layer "GND_L01_P002" (solid, pour order 2): 9.652,81.915 9.652,87.757 10.16,88.265 14.986,88.265 18.288,86.614 20.193,84.709 20.193,80.137 21.971,78.359 21.971,77.089 21.844,76.708 21.59,76.581 21.082,76.581 14.986,76.581 14.478,77.089
+3.3V on Top Layer "+3.3V_L01_P046" (solid, pour order 46): 76.708,39.243 77.089,41.329 77.851,41.656 78.74,42.037 79.629,41.656 86.36,41.656 92.583,35.433 92.71,35.052 92.71,22.733 92.583,22.733 88.519,18.669 77.089,18.669 77.089,35.867 76.454,36.502 76.454,38.989
+3.3V on Top Layer "+3.3V_L01_P047" (solid, pour order 47): 60.833,37.338 60.071,38.1 55.753,38.1 55.626,37.973 55.626,31.75 58.801,31.75 58.928,31.623 59.69,32.385 59.69,35.306 60.071,35.687 60.833,35.687
GND on Top Layer "GND_L01_P043" (solid, pour order 43): 69.812,52.268 75.417,52.268 80.775,53.819 89.154,54.356 90.17,54.61 91.694,53.594 91.694,52.832 91.233,52.371 86.189,51.72
+12V on Top Layer "+12V_L01_P040" (solid, pour order 40): 17 vertices, not listed, extent 124.46,50.165 137.414,61.722
GND on Top Layer "GND_L01_P038" (solid, pour order 38): 109.601,85.471 109.474,85.344 109.474,84.074 101.219,84.074 100.711,84.582 100.711,86.36 102.997,88.646 106.426,88.646 102.997,88.646 106.426,88.646
+3.3V on Top Layer "+3.3V_L01_P037" (solid, pour order 37): 106.553,89.281 109.855,85.979 114.046,85.979 114.046,84.836 114.681,84.201 118.745,84.201 118.745,85.979 116.84,87.884 109.855,87.884 109.855,88.138 107.061,90.932 107.061,91.186
GND on Top Layer "r" (solid, pour order 34): 19 vertices, not listed, extent 90.297,98.298 108.331,108.966
+24V on Top Layer "+24V_L01_P030" (solid, pour order 30): 91.948,116.967 92.583,117.602 100.965,117.602 100.965,110.617 99.568,109.22 84.836,109.22 84.836,108.839 84.201,109.601 84.201,110.49 84.836,111.125 90.932,111.125 91.948,112.141
+3.3V on Top Layer "+3.3V_L01_P029" (solid, pour order 29): 22 vertices, not listed, extent 83.82,76.962 107.061,92.837
GND on Top Layer "GND_L01_P028" (solid, pour order 28): 17 vertices, not listed, extent 72.009,88.011 80.391,97.663
GND on Top Layer "GND_L01_P023" (solid, pour order 23): 22 vertices, not listed, extent 68.961,111.125 90.932,118.11
GND on Top Layer "GND_L01_P022" (solid, pour order 22): 25 vertices, not listed, extent 45.72,99.949 73.627,117.746
GND on Top Layer "GND_L01_P021" (solid, pour order 21): 23 vertices, not listed, extent 39.243,81.153 57.785,94.996
+24V on Top Layer "+24V_L01_P018" (solid, pour order 18): 145.034,50.038 147.828,52.832 151.638,52.832 151.892,51.435 153.67,49.657 155.956,49.657 155.956,46.99 154.178,45.212 146.939,45.212 145.034,47.117 146.939,45.212 145.034,47.117
+3.3V on Top Layer "+3.3V_L01_P017" (solid, pour order 17): 136.271,34.417 136.271,32.893 136.398,32.766 140.716,32.766 141.097,32.385 141.097,29.845 140.081,28.829 140.081,27.813 140.589,27.813 140.843,27.559 142.113,28.829 142.113,33.909 141.478,34.544 136.398,34.544
+3.3V on Top Layer "+3.3V_L01_P015" (solid, pour order 15): 19 vertices, not listed, extent 135.128,16.637 144.907,29.591
+24V on Top Layer "+24V_L01_P014" (solid, pour order 14): 18 vertices, not listed, extent 141.859,7.747 155.448,23.622
+3.3V on Top Layer "+3.3V_L01_P009" (solid, pour order 9): 28.575,23.876 29.718,22.733 29.718,22.225 28.838,21.345 5.087,21.837 4.191,22.733 3.81,35.306 5.969,35.306 6.731,34.544 6.731,29.464 12.319,23.876
GND on Top Layer "GND_L01_P008" (solid, pour order 8): 7.874,38.1 7.62,37.846 5.461,35.687 3.048,35.687 2.54,36.322 2.54,36.449 2.54,43.18 3.429,44.069 6.731,44.069 7.874,42.926 7.874,40.005
+VBUS on Top Layer "+VBUS_L01_P004" (solid, pour order 4): 38.354,78.994 43.688,78.994 50.038,85.344 55.372,85.344 55.372,85.217 55.626,84.963 55.372,84.709 55.372,80.264 47.244,80.264 44.069,77.089 38.481,77.089
GND on Bottom Layer "NONET_L-01_P-001" (solid, pour order 87): -8.763,88.392 41.021,88.392 46.355,93.726 46.355,128.651 171.704,128.651 191.008,109.347 191.008,-9.779 189.738,-9.779 174.498,-25.019 -11.303,-25.019 -13.716,-22.606 -13.335,-22.225 -13.335,79.375
no net on POWER (split plane): 101.322,116.904 101.322,110.426 100.14,109.244 95.313,109.244 94.512,110.045 94.512,117.158 94.678,117.324 100.902,117.324
+12V on POWER (split plane): 76 vertices, not listed, extent 88.416,60.73 101.894,108.942
no net on POWER (split plane): 25 vertices, not listed, extent 88.416,93.583 96.75,101.322
+3.3V on POWER (split plane): 49.276,86.193 49.173,86.296 49.173,86.932 49.276,87.035
+24V on POWER (split plane): 39.898,82.022 39.874,81.991 39.859,81.954 39.854,81.915 39.854,80.248 38.631,81.471 42.1,84.939 42.815,84.939
+24V on POWER (split plane): 107 vertices, not listed, extent 112.038,12.851 150.471,64.746
+24V on POWER (split plane): 31 vertices, not listed, extent 148.32,40.156 155.678,52.808
+24V on POWER (split plane): 199 vertices, not listed, extent 49.49,59.293 102.338,111.609
+3.3V on POWER (split plane): 143.256,40.64 143.256,29.21 148.017,29.21 148.017,25.803 145.923,23.709 143.026,26.606 143.026,40.87
no net on POWER (split plane): 29.909,85.876 8.66,85.876 8.66,88.773 32.806,88.773
+VBUS on POWER (split plane): 116 vertices, not listed, extent 3.199,69.493 61.698,101.449
+VBUS on POWER (split plane): 38.204,81.471 37.91,81.177 28.94,81.177 31.432,83.669 36.005,83.669
no net on POWER (split plane): 22 vertices, not listed, extent 2.945,76.605 15.891,84.304
no net on POWER (split plane): 27.242,79.907 25.019,79.907 24.98,79.902 24.943,79.887 24.912,79.863 21.654,76.605 21.447,76.605 25.717,80.875 28.21,80.875
+3.3V on POWER (split plane): 819 vertices, not listed, extent 2.945,1.526 158.474,118.474
+5V on POWER (split plane): 548 vertices, not listed, extent 2.183,1.802 158.091,118.086
+3.3V on POWER (split plane): 29 vertices, not listed, extent 1.526,1.526 31.158,88.773
+12V on POWER (split plane): 83 vertices, not listed, extent 6.501,12.724 137.644,62.333
GND on GND (split plane): 158.474,1.526 1.526,1.526 1.526,85.471 48.641,85.471 48.641,118.474 158.474,118.474

## Keep-outs
Top Layer:
  region: 14.097,10.541 14.351,10.795 25.781,10.795 25.781,16.637 25.273,17.145 14.859,17.145 13.843,16.129 13.589,16.129 13.589,11.557 14.224,10.922
  region: 42.418,10.541 42.672,10.795 54.102,10.795 54.102,16.637 53.594,17.145 43.18,17.145 42.164,16.129 41.91,16.129 41.91,11.557 42.545,10.922
  region: 102.362,54.229 102.616,54.483 114.046,54.483 114.046,60.325 113.538,60.833 103.124,60.833 102.108,59.817 101.854,59.817 101.854,55.245 102.489,54.61
  region: 121.285,17.653 121.539,17.907 132.969,17.907 132.969,23.749 132.461,24.257 122.047,24.257 121.031,23.241 120.777,23.241 120.777,18.669 121.412,18.034
  region: 143.129,38.608 143.383,38.354 143.383,26.924 149.225,26.924 149.733,27.432 149.733,37.846 148.717,38.862 148.717,39.116 144.145,39.116 143.51,38.481
  region: 49.149,87.249 49.149,85.598 55.499,85.598 56.515,84.582 56.515,82.423 56.769,82.423 58.42,80.772 58.547,80.899 74.803,80.899 74.803,86.233 71.882,89.154 56.896,89.154 55.753,88.011 55.753,87.249
  region: 102.235,102.489 102.235,100.838 108.458,100.838 108.585,100.965 109.982,99.568 131.953,99.568 132.715,100.33 132.715,103.759 132.08,104.394 110.617,104.394 108.712,102.489
  region: 57.15,105.283 57.15,104.013 57.023,103.886 57.15,103.759 63.881,103.759 69.723,97.917 85.598,97.917 85.725,98.044 85.725,105.537 84.963,106.299 84.582,105.918 70.485,105.918 70.485,106.426 69.723,107.188 69.596,107.061 66.167,107.061 66.167,105.283
  region: 53.975,43.053 51.181,40.259 48.895,40.259 48.641,40.005 48.641,39.116 44.323,39.116 44.196,38.989 44.196,32.131 47.117,29.21 53.467,29.21 53.467,30.226 53.848,30.607 53.848,40.894 55.118,42.164
Bottom Layer:
  rectangle: 0,85.471 48.768,123.571
  region: 14.097,10.541 14.351,10.795 25.781,10.795 25.781,16.637 25.273,17.145 14.859,17.145 13.843,16.129 13.589,16.129 13.589,11.557 14.224,10.922
  region: 42.418,10.541 42.672,10.795 54.102,10.795 54.102,16.637 53.594,17.145 43.18,17.145 42.164,16.129 41.91,16.129 41.91,11.557 42.545,10.922
  region: 102.362,54.229 102.616,54.483 114.046,54.483 114.046,60.325 113.538,60.833 103.124,60.833 102.108,59.817 101.854,59.817 101.854,55.245 102.489,54.61
  region: 121.285,17.653 121.539,17.907 132.969,17.907 132.969,23.749 132.461,24.257 122.047,24.257 121.031,23.241 120.777,23.241 120.777,18.669 121.412,18.034
  region: 143.129,38.608 143.383,38.354 143.383,26.924 149.225,26.924 149.733,27.432 149.733,37.846 148.717,38.862 148.717,39.116 144.145,39.116 143.51,38.481
  region: 49.149,87.249 49.149,85.598 55.499,85.598 56.515,84.582 56.515,82.423 56.769,82.423 58.42,80.772 58.547,80.899 74.803,80.899 74.803,86.233 71.882,89.154 56.896,89.154 55.753,88.011 55.753,87.249
  region: 102.235,102.489 102.235,100.838 108.458,100.838 108.585,100.965 109.982,99.568 131.953,99.568 132.715,100.33 132.715,103.759 132.08,104.394 110.617,104.394 108.712,102.489
  region: 57.213,105.346 57.213,104.076 57.087,103.95 57.213,103.822 63.944,103.822 69.787,97.98 85.661,97.98 85.788,98.108 85.788,105.6 85.026,106.362 84.645,105.981 70.549,105.981 70.549,106.489 69.787,107.251 69.659,107.124 66.23,107.124 66.23,105.346
  region: 53.975,42.926 51.181,40.132 48.895,40.132 48.641,39.878 48.641,38.989 44.323,38.989 44.196,38.862 44.196,32.004 47.117,29.083 53.467,29.083 53.467,30.099 53.848,30.48 53.848,40.767 55.118,42.037
Keep-Out Layer:
  lines w0.254: 2,2 158,2 158,118 2,118 2,2

## Other copper
GND (plane layer: these items are gaps in the copper):
  rectangle: -0.127,85.471 48.641,123.571
  region: 14.097,10.541 14.351,10.795 25.781,10.795 25.781,16.637 25.273,17.145 14.859,17.145 13.843,16.129 13.589,16.129 13.589,11.557 14.224,10.922
  region: 42.418,10.541 42.672,10.795 54.102,10.795 54.102,16.637 53.594,17.145 43.18,17.145 42.164,16.129 41.91,16.129 41.91,11.557 42.545,10.922
  region: 102.362,54.229 102.616,54.483 114.046,54.483 114.046,60.325 113.538,60.833 103.124,60.833 102.108,59.817 101.854,59.817 101.854,55.245 102.489,54.61
  region: 121.285,17.653 121.539,17.907 132.969,17.907 132.969,23.749 132.461,24.257 122.047,24.257 121.031,23.241 120.777,23.241 120.777,18.669 121.412,18.034
  region: 143.129,38.608 143.383,38.354 143.383,26.924 149.225,26.924 149.733,27.432 149.733,37.846 148.717,38.862 148.717,39.116 144.145,39.116 143.51,38.481
  region: 53.975,43.053 51.181,40.259 48.895,40.259 48.641,40.005 48.641,39.116 44.323,39.116 44.196,38.989 44.196,32.131 47.117,29.21 53.467,29.21 53.467,30.226 53.848,30.607 53.848,40.894 55.118,42.164
  region: 102.235,102.489 102.235,100.838 108.458,100.838 108.585,100.965 109.982,99.568 131.953,99.568 132.715,100.33 132.715,103.759 132.08,104.394 110.617,104.394 108.712,102.489
  region: 57.15,105.283 57.15,104.013 57.023,103.886 57.15,103.759 63.881,103.759 69.723,97.917 85.598,97.917 85.725,98.044 85.725,105.537 84.963,106.299 84.582,105.918 70.485,105.918 70.485,106.426 69.723,107.188 69.596,107.061 66.167,107.061 66.167,105.283
  region: 49.149,87.249 49.149,85.598 55.499,85.598 56.515,84.582 56.515,82.423 56.769,82.423 58.42,80.772 58.547,80.899 74.803,80.899 74.803,86.233 71.882,89.154 56.896,89.154 55.753,88.011 55.753,87.249
POWER (plane layer: these items are gaps in the copper):
  rectangle: -0.127,88.773 46.101,123.444
  region: 13.97,12.827 14.224,13.081 25.654,13.081 25.654,18.923 25.146,19.431 14.732,19.431 13.716,18.415 13.462,18.415 13.462,13.843 14.097,13.208
  region: 42.291,12.827 42.545,13.081 53.975,13.081 53.975,18.923 53.467,19.431 43.053,19.431 42.037,18.415 41.783,18.415 41.783,13.843 42.418,13.208
  region: 102.362,54.229 102.616,54.483 114.046,54.483 114.046,60.325 113.538,60.833 103.124,60.833 102.108,59.817 101.854,59.817 101.854,55.245 102.489,54.61
  region: 121.158,19.939 121.412,20.193 132.842,20.193 132.842,26.035 132.334,26.543 121.92,26.543 120.904,25.527 120.65,25.527 120.65,20.955 121.285,20.32
  region: 143.002,40.894 143.256,40.64 143.256,29.21 149.098,29.21 149.606,29.718 149.606,40.132 148.59,41.148 148.59,41.402 144.018,41.402 143.383,40.767
  region: 53.911,42.989 51.117,40.195 48.831,40.195 48.578,39.941 48.578,39.052 44.259,39.052 44.133,38.925 44.133,32.067 47.053,29.146 53.404,29.146 53.404,30.162 53.785,30.543 53.785,40.831 55.054,42.1
  region: 102.235,102.489 102.235,100.838 108.458,100.838 108.585,100.965 109.982,99.568 131.953,99.568 132.715,100.33 132.715,103.759 132.08,104.394 110.617,104.394 108.712,102.489
  region: 56.959,105.283 56.959,104.013 56.832,103.886 56.959,103.759 63.691,103.759 69.532,97.917 85.407,97.917 85.534,98.044 85.534,105.537 84.772,106.299 84.391,105.918 70.294,105.918 70.294,106.426 69.532,107.188 69.406,107.061 65.977,107.061 65.977,105.283
  region: 49.276,87.249 49.276,85.598 55.626,85.598 56.642,84.582 56.642,82.423 56.896,82.423 58.547,80.772 58.674,80.899 74.93,80.899 74.93,86.233 72.009,89.154 57.023,89.154 55.88,88.011 55.88,87.249
  lines w0.254: 6.985,35.941 7.851,36.807 7.851,37.742 ; 12.446,34.036 12.775,34.036 13.436,33.375 ; 54.61,103.251 56.07,104.712 56.07,106.617 ; 112.141,90.17 112.141,88.646 114.427,86.36 ; 124.079,10.033 131.191,10.033 132.969,8.255 132.969,2.032
  lines w0.3: 2.032,7.747 2.032,2.794 ; 3.429,83.566 3.048,83.185 3.048,82.042 3.81,81.28 8.255,81.28 14.605,74.93 28.956,74.93 34.544,69.342 39.37,69.342 39.37,75.692 39.878,76.2 43.942,76.2 47.117,79.375 55.372,79.375 56.007,80.01 56.007,84.328 55.245,85.09 50.165,85.09 49.022,86.233 49.022,86.995 49.911,87.884 55.372,87.884 57.15,89.662 58.42,89.662 ; 3.683,83.566 7.62,83.566 14.732,76.454 21.717,76.454 25.019,79.756 27.305,79.756 31.369,83.82 36.068,83.82 40.005,79.883 40.005,81.915 58.166,100.076 58.166,100.33 59.436,101.6 61.595,101.6 61.849,101.346 61.849,92.964 58.547,89.662 ; 6.985,35.941 6.096,35.941 6.096,33.274 7.747,31.623 10.362,31.623 12.775,34.036 ; 7.851,37.742 7.493,38.1 7.493,49.657 9.779,51.943 9.779,57.404 13.843,61.468 14.478,61.468 ; 13.436,33.375 13.436,30.2 12.827,29.591 11.684,29.591 8.001,29.591 7.112,30.48 5.588,32.004 5.588,35.941 4.191,35.941 3.429,35.179 3.429,14.351 8.001,9.779 10.668,7.112 13.462,7.112 15.494,5.08 28.575,5.08 32.893,5.08 32.893,9.398 34.29,10.795 40.767,10.795 40.767,9.144 39.116,7.493 39.116,6.35 39.878,5.588 43.434,5.588 45.212,7.366 45.212,11.049 59.469,11.049 62.357,13.937 62.357,15.621 62.357,15.748 61.214,16.891 63.5,16.891 73.152,16.891 ; 14.605,61.595 13.97,62.23 8.382,62.23 6.985,60.833 6.985,59.436 6.35,58.801 4.953,58.801 4.318,59.436 4.318,69.469 3.556,69.469 3.556,72.39 7.874,72.39 7.874,76.2 7.112,76.962 3.81,76.962 3.81,80.518 2.794,81.534 2.794,84.455 8.255,84.455 16.129,76.581 21.209,76.581 25.654,81.026 37.973,81.026 42.037,85.09 43.307,85.09 50.673,92.456 50.673,99.314 54.61,103.251 54.673,103.251 ; 56.07,106.617 57.404,107.95 59.372,107.95 64.516,107.95 68.326,111.76 80.137,111.76 81.407,110.49 85.598,110.49 85.852,110.49 ; 72.962,16.7 78.105,11.557 97.409,11.557 97.409,9.525 98.171,8.763 102.108,8.763 104.013,10.668 104.013,11.43 104.14,11.557 105.156,11.557 109.22,15.621 109.22,18.415 110.998,20.193 117.729,20.193 119.507,18.415 119.507,9.779 120.65,8.636 122.682,8.636 124.079,10.033 ; 80.899,93.706 82.54,92.065 82.54,85.461 82.169,85.09 75.946,85.09 75.946,84.582 74.803,83.439 74.803,78.486 76.835,76.454 81.153,76.454 81.153,73.152 95.164,59.141 116.246,59.141 116.286,59.182 120.142,59.182 124.46,63.5 133.985,63.5 141.732,55.753 141.732,47.879 132.334,47.879 111.887,27.432 111.887,21.844 112.776,20.955 114.427,20.955 128.397,34.925 128.397,41.91 132.207,45.72 141.732,45.72 141.732,25.019 144.653,22.098 142.621,20.066 142.621,19.311 144.907,17.025 144.907,13.462 145.669,12.7 149.225,12.7 150.622,14.097 150.622,23.047 149.733,23.936 149.733,41.529 153.924,45.72 154.813,45.72 155.829,46.736 155.829,49.657 152.527,52.959 148.839,52.959 148.432,52.552 148.432,48.474 151.515,45.391 151.515,45.027 148.169,41.68 148.169,25.741 145.923,23.495 142.875,26.543 142.875,42.291 144.653,44.069 144.653,55.118 135.128,64.643 135.128,64.897 124.333,64.897 122.047,62.611 119.634,60.198 115.57,60.198 96.393,60.198 82.931,73.66 82.931,76.835 83.439,77.343 83.439,92.456 87.376,96.393 87.376,108.966 86.741,109.601 ; 80.899,93.726 80.899,96.774 81.915,97.79 85.979,97.79 85.979,105.664 85.09,106.553 ; 85.725,110.49 86.614,109.601 86.741,109.601 ; 88.265,101.473 88.773,101.473 90.043,100.203 90.043,97.155 91.059,96.139 96.393,96.139 96.901,95.631 96.901,93.853 96.393,93.345 ; 112.141,90.17 115.951,93.98 115.951,96.901 116.84,97.79 124.333,97.79 129.794,92.329 136.398,92.329 ; 114.427,86.36 119.507,86.36 117.602,88.265 136.398,88.265 ; 125.984,58.293 126.492,58.801 126.492,59.309 127,59.309 130.175,62.484 133.604,62.484 137.795,58.293 137.795,55.245 134.62,52.07 130.937,52.07 130.937,47.371 102.108,18.542 56.29,18.542 54.893,19.939 43.053,19.939 41.402,18.288 41.402,14.732 40.767,14.097 35.56,14.097 29.718,19.939 14.478,19.939 8.382,13.843 8.382,12.954 8.001,12.573 7.112,12.573 6.35,13.335 6.35,13.97 7.874,15.494 8.636,15.494 14.097,20.955 59.563,20.955 100.457,20.955 129.54,50.038 129.54,52.324 127.254,54.61 127.254,57.277 126.111,58.42 ; 130.048,23.495 132.461,23.495 ; 132.969,2.159 123.19,2.159 122.174,3.175 84.582,3.175 83.058,1.651 31.242,1.651 31.121,1.772 3.054,1.772 2.032,2.794 ; 136.017,92.456 150.749,107.188 150.749,112.141 150.241,112.649 135.89,112.649 129.794,106.553 120.269,106.553 118.364,104.648 103.886,104.648 101.727,102.489 101.727,101.092 101.473,100.838 94.996,100.838 92.58,103.254 92.58,107.064 92.58,108.08 92.453,108.08 90.932,109.601 88.392,109.601 86.741,109.601 ; 136.525,88.011 136.398,87.884 136.398,72.009 136.652,71.755 136.652,67.691 145.923,58.42 157.48,58.42 157.607,58.293 157.607,68.961 156.337,70.231 156.337,88.519 156.337,103.632 158.242,105.537 158.242,117.221 157.226,118.237 151.638,118.237 138.303,118.237 137.033,116.967 135.89,116.967 135.509,117.348 133.096,117.348 128.016,112.268 125.476,112.268 122.555,109.347 120.65,109.347 118.745,111.252 110.871,111.252 108.331,108.712 95.504,108.712 92.329,111.887 88.011,111.887 81.661,118.237 72.39,118.237 65.786,111.633 49.784,111.633 49.022,110.871 49.022,104.775 37.465,93.218 29.972,85.725 8.509,85.725 8.509,100.33 7.874,100.965 2.921,100.965 2.286,100.33 2.286,85.852 2.286,77.216 2.667,76.835 2.667,76.344 2.667,39.878 2.667,38.608 2.032,37.973 2.032,2.794 ; 143.572,12.319 143.596,12.319 ; 88.265,93.853 96.266,93.853 96.266,61.595 96.901,60.96 96.901,60.579 98.044,60.579 99.568,62.103 98.044,63.627 98.044,96.012 102.108,100.076 101.092,101.092 97.282,101.092 94.996,98.806 93.98,98.806 92.583,100.203 92.583,102.108 90.17,104.521 90.17,106.426 90.932,107.188 90.932,108.331 90.17,109.093 88.392,109.093 88.265,108.966 88.265,102.743 88.265,96.012 88.265,93.853 ; 94.361,109.982 94.361,117.221 94.615,117.475 100.965,117.475 101.473,116.967 101.473,110.363 100.203,109.093 95.25,109.093 94.361,109.982

## Silkscreen, mask and mechanical layers (free items; w line width, h text height)
Top Solder:
  region: 37.338,82.169 30.353,75.184 14.732,75.184 12.319,75.184 10.731,76.391 9.921,76.85 9.266,77.504 9.266,79.883 9.921,81.773 9.921,83.058 9.921,84.328 35.179,84.328
Mechanical 1:
  the board outline again, w0.254
Drill Drawing:
  text ".Legend" at 176.911,58.42 h1.52

## Text inside footprints (layer, text, board x,y; h text height)
BR1: Top Overlay "-" at 17.718,84.03 h0.98; Top Overlay "+" at 33.212,83.924 h0.98